# KiCad board board.kicad_pcb (continued)
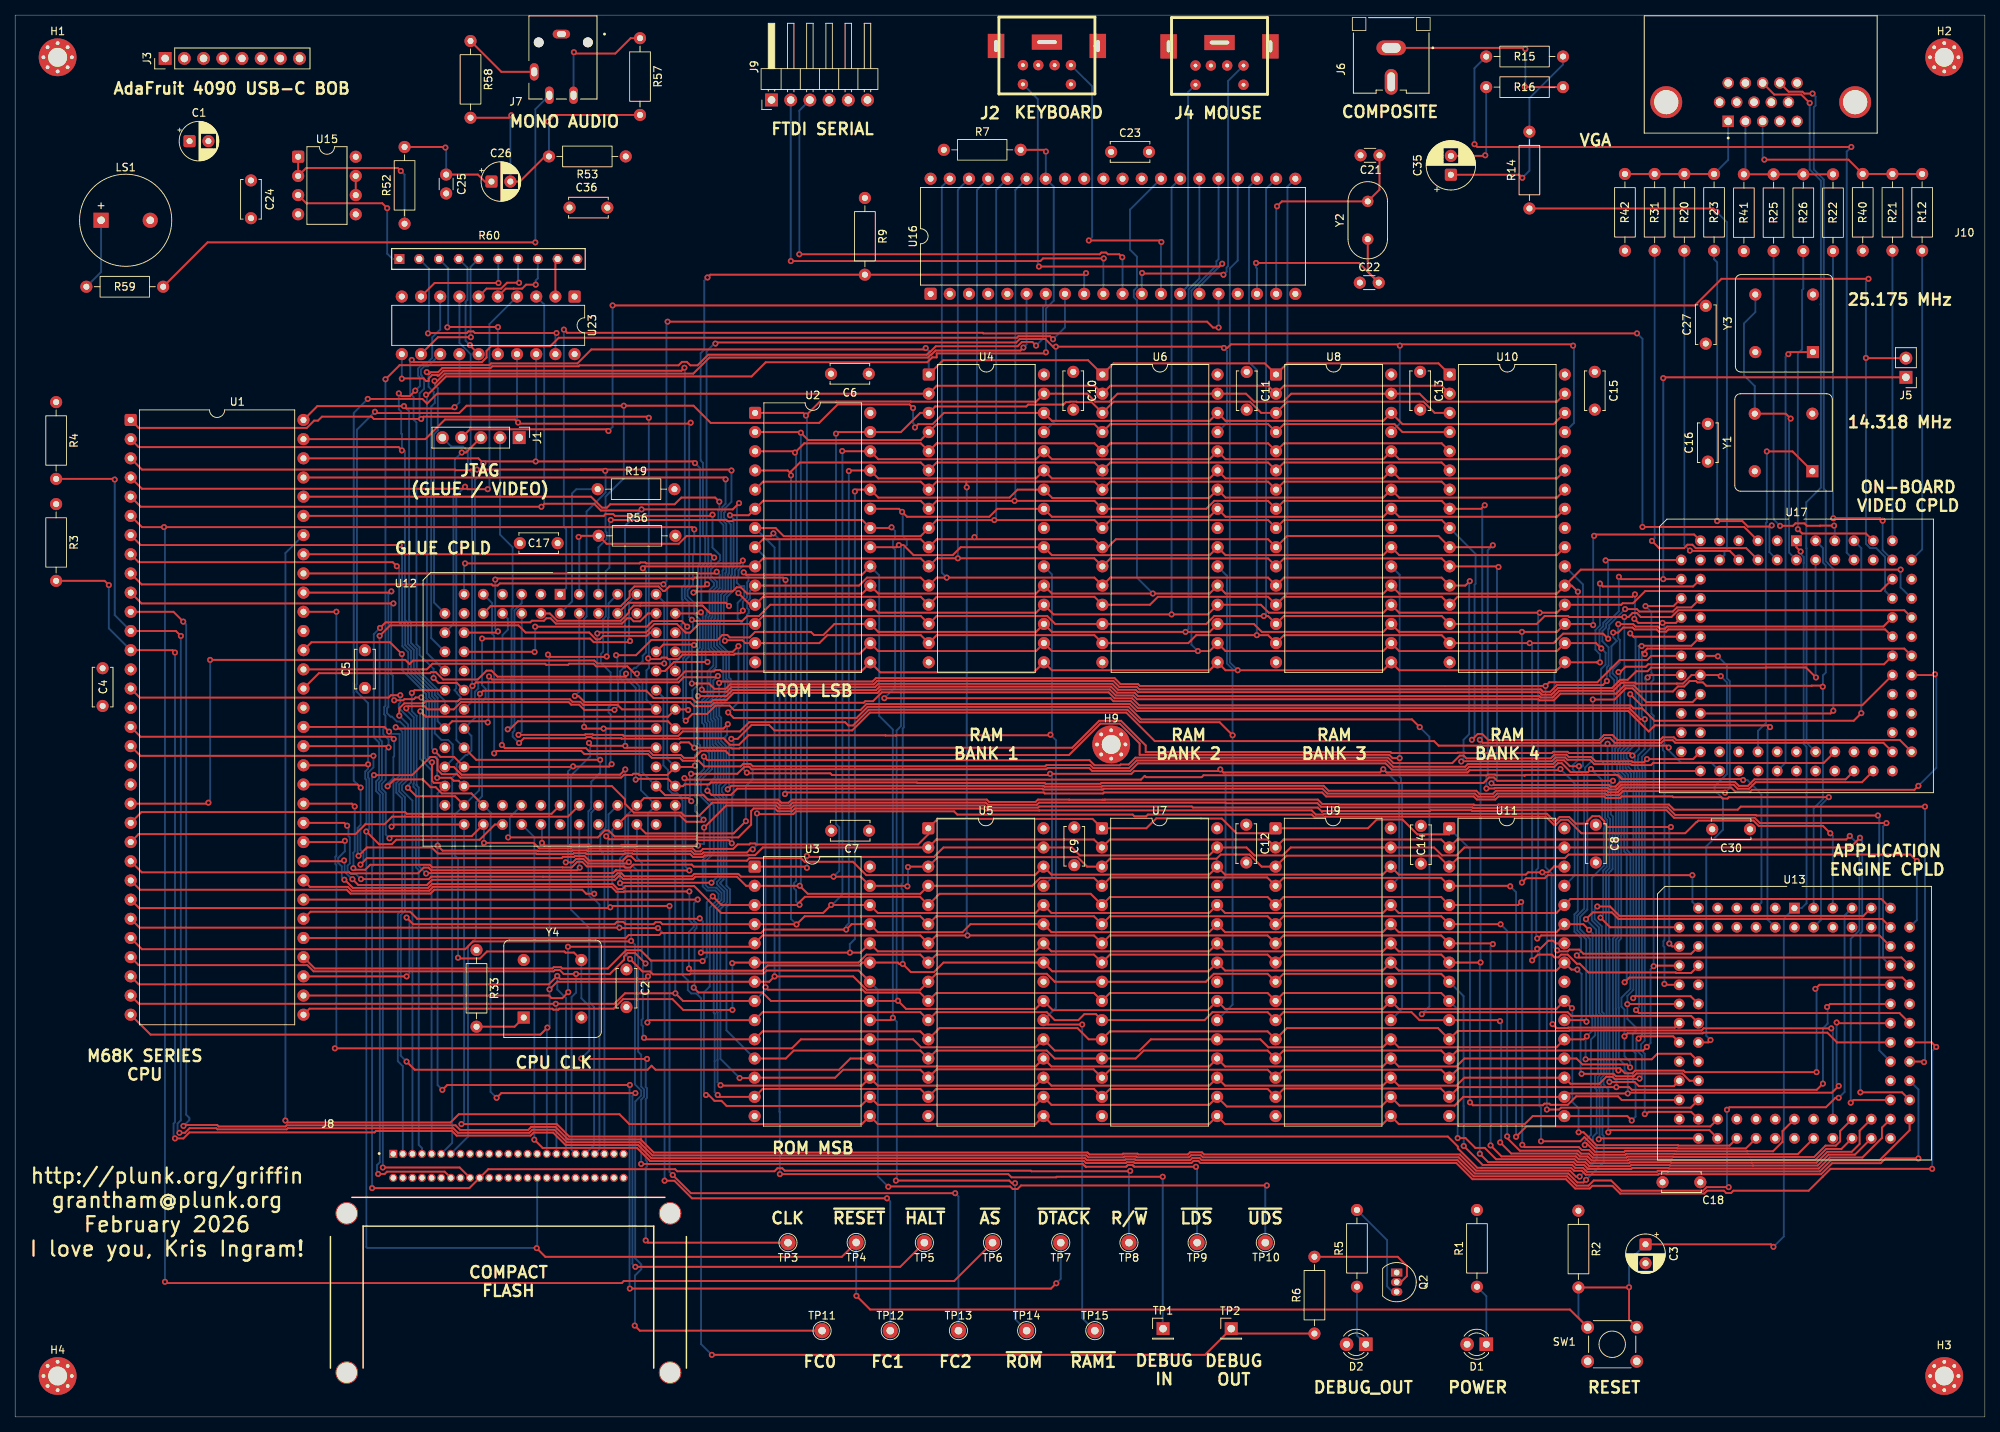
[diagram p0: board, top side]
## Routing (per net, layer and track width the routed paths; a pad name or vN(x,y) marks a point on that pad's centre or on a via; arc(x,y) is an arc through that point) (continued)
~{HALT}: length 177.5
  Top w0.25: TP5.1 117.09,19.87 v1(82.06,19.87) ; v1(49.28,83.49) 50.19,84.4 53.94,84.4 54.97,83.36 55.64,83.36 56.46,82.54 60.36,82.54 U12.36 ; v1(50.09,89.74) 49.79,90.04 16.59,90.04 U1.17 ; v1(63.7,42.24) 64.32,42.87 v1(82.06,42.87)
  Bottom w0.25: v1(50.09,89.74) 50.14,89.69 50.14,87.45 50.04,87.35 50.04,84.59 49.28,83.83 v1(49.28,83.49) ; v1(63.7,42.24) 62.9,43.04 62.9,80 U12.36 ; v1(82.06,19.87) 81.66,20.26 81.66,42.47 v1(82.06,42.87)
~{IO_DTACK_MISO}: length 128.8
  Top w0.25: v1(135.07,141.83) 134.59,142.31 133.2,142.31 132.62,141.74 121.81,141.74 121.09,141.02 121.01,141.02 120.61,140.62 91.69,140.62 90.29,139.21 89.33,139.21 88.87,139.67 88.23,139.67 87.78,139.21 74.66,139.21 74.54,139.09 63.13,139.09 62.91,138.87 56.54,138.87 55.96,138.3 55.01,138.3 54.79,138.08 54.69,138.08 v1(54.46,138.31)
  Bottom w0.25: U16.7 136.35,147.25 136,146.89 136,142.76 v1(135.07,141.83) ; v1(54.46,138.31) 54.46,138.2 54.71,137.95 54.71,136.36 55.38,135.69 55.38,135.02 55.52,134.87 55.52,134.23 55.05,133.75 55.05,103.09 56.86,101.28
~{IO_IACK_SCK}: length 141.9
  Top w0.25: v1(137.32,142.67) 136.93,143.06 132.74,143.06 132.54,142.87 71.92,142.87 70.81,141.75 62.99,141.75 62.37,141.13 62.37,140.26 61.76,139.64 52.75,139.64 v1(52.47,139.93) ; v1(55.37,97.82) 56.02,97.17 58.44,97.17 U12.21
  Bottom w0.25: v1(55.37,97.82) 55.37,99.03 53.51,100.89 53.51,101.86 53.1,102.27 53.1,131.64 52.72,132.03 52.72,135 52.28,135.44 52.28,139.73 v1(52.47,139.93) ; v1(137.32,142.67) 138.9,144.24 U16.8
~{IO_IRQ}: length 153.1
  Top w0.25: R7.2 136.15,167.74 v1(136.38,167.52) ; v1(136.38,140.94) 136.22,140.79 121.93,140.79 121.93,140.27 121.32,140.27 120.67,139.62 99.3,139.62 97.43,137.74 57,137.74 54.59,135.32 v1(54.37,135.32)
  Bottom w0.25: v1(136.38,140.94) 136.38,146.74 137.41,147.77 137.41,162.86 U16.34 136.35,167.5 v1(136.38,167.52) ; v1(54.37,135.32) 54.48,135.21 54.48,101.12 56.86,98.75
~{IO_SELECT_MOSI}: length 119.2
  Top w0.25: v1(133.4,141.56) 133,141.17 121.77,141.17 121.24,140.64 121.17,140.64 120.77,140.24 91.85,140.24 89.73,138.12 56.85,138.12 55.55,136.82 55.55,137.08 v1(55.49,137.15)
  Bottom w0.25: v1(133.4,141.56) 133.81,141.98 U16.6 ; 56.86,106.37 55.43,107.8 55.43,130.1 55.93,130.6 55.93,136.18 55.55,136.56 55.55,137.08 v1(55.49,137.15)
~{IPL0}: length 74.7
  Top w0.25: v1(76.61,69.25) 75.56,69.25 75.03,69.79 55.45,69.79 54.95,69.28 44.37,69.28 43.86,69.79 16.52,69.79 U1.25
  Bottom w0.25: U12.48 76.22,80 76.22,69.65 v1(76.61,69.25)
~{IPL1}: length 66.4
  Top w0.25: U1.24 16.76,72.09 44.21,72.09 44.34,71.96 53.3,71.96 54.05,72.72 54.7,72.72 55.04,72.37 74.35,72.37 v1(74.7,72.72)
  Bottom w0.25: v1(74.7,72.72) 74.64,72.78 U12.45
~{IPL2}: length 61.4
  Top w0.25: U1.23 16.34,77.15 45.03,77.15 46.34,78.46 48.88,78.46 49.88,79.46 73.14,79.46 U12.46
~{LDS}: length 552.5
  Top w0.25: v1(82.82,33.49) 83.86,33.49 141.25,33.49 141.51,33.23 141.51,33.23 141.68,33.06 141.72,33.12 146.98,33.12 147.09,33.23 147.1,33.23 147.2,33.34 147.85,33.34 147.95,33.23 147.96,33.23 148.07,33.12 v1(156.23,33.12) ; v1(215.61,92.35) 215.04,92.35 213.58,93.82 148.56,93.82 147.62,94.75 145.31,94.75 144.91,95.15 v1(115,95.15) ; v1(115.95,117.77) 115.86,117.68 U2.22 112.07,118.74 95.04,118.74 94.89,118.59 94.25,118.59 94.1,118.74 v1(78.8,118.74) ; v1(215.6,100.99) 215.43,100.99 215.28,101.14 215.28,101.28 215.51,101.28 215.94,101.71 249.94,101.71 U17.64 ; v1(78.92,86.42) 78.6,86.09 73.85,86.09 v1(73.82,86.12) 73.74,86.05 U12.29 58.07,87.38 56.28,87.38 v1(55.52,88.13) ; v1(72.85,73.42) 73.77,73.42 74.22,73.87 75.18,73.87 75.79,73.26 81,73.26 v1(81.18,73.45) ; v1(214.45,53.86) 214.85,53.46 249.3,53.46 U13.64 ; U1.8 16.34,113.15 49.96,113.15 v1(50.5,112.62)
  Bottom w0.25: v1(115.95,117.77) 116.43,117.29 116.43,116.3 116.14,116.01 116.14,115.09 116.43,114.81 116.43,96.57 v1(115,95.15) ; v1(215.6,100.99) 215.2,100.99 215.2,92.76 v1(215.61,92.35) 215.6,92.35 215.6,88.42 214.74,87.56 214.74,87.07 214.67,87 214.67,85.87 214.91,85.63 214.91,82.8 214.85,82.73 214.85,54.26 v1(214.45,53.86) ; TP9.1 156.38,32.96 v1(156.23,33.12) ; v1(78.92,86.42) 78.78,86.56 78.78,93.02 78.51,93.28 78.51,93.92 78.78,94.18 78.78,98.56 77.49,99.85 77.49,100.99 77.8,101.3 77.8,105.62 78.14,105.97 78.14,111.95 78.62,112.43 78.62,118.56 v1(78.8,118.74) ; v1(81.18,73.45) 82.43,72.21 82.43,48.34 82.82,47.94 82.82,43.73 83.21,43.34 83.21,42.39 82.82,42 v1(82.82,33.49) ; v1(50.5,112.62) 50.82,112.3 50.82,105.2 50.99,105.02 51.23,104.78 51.23,102.01 52,101.24 52,98.6 54.76,95.84 54.76,95.27 55.14,94.9 55.14,88.51 v1(55.52,88.13) ; v1(73.82,86.12) 73.15,85.45 73.15,73.71 v1(72.85,73.42)
~{RAM_SELECT_1}: length 200.3
  Top w0.25: v1(66.68,89.22) 67.3,89.84 75.45,89.84 75.6,89.99 76.25,89.99 76.4,89.84 80.19,89.84 80.25,89.78 87.9,89.78 87.95,89.84 93.72,89.84 94.58,88.98 95.77,88.98 97.02,90.24 115.13,90.24 115.16,90.21 116.47,90.21 116.5,90.24 136.9,90.24 v1(136.97,90.31) ; v1(141.18,51.94) 136.64,51.94 U5.22
  Bottom w0.25: v1(66.68,89.22) 65.82,90.06 65.82,90.61 66.06,90.84 66.06,106.76 67.02,107.73 67.02,108.91 ; v1(141.18,51.94) 141.18,13.09 TP15.1 ; U5.22 137.7,54.17 137.7,89.59 v1(136.97,90.31) 137.17,90.51 137.17,111.54 U4.22
~{RAM_SELECT_2}: length 175.8
  Top w0.25: v1(66.6,90.29) 75.37,90.29 75.45,90.37 76.4,90.37 76.48,90.29 80.37,90.29 80.5,90.16 87.74,90.16 88.33,90.75 95.9,90.75 97.11,91.96 109.81,91.96 110.24,91.54 110.86,91.54 112.94,93.62 147.16,93.62 148.81,91.96 159.35,91.96 v1(161.07,90.24)
  Bottom w0.25: v1(66.6,90.29) 67.02,90.71 67.02,106.37 ; U7.22 161.07,54.58 v1(161.07,90.24) 161.07,98.98 160.32,99.73 160.32,111.36 U6.22
~{RAM_SELECT_3}: length 203.9
  Top w0.25: v1(183.18,87.22) 182.23,87.22 181.8,87.65 148.78,87.65 148.78,89.15 146.16,91.77 143.58,91.77 139.43,87.62 94.53,87.62 93.96,88.19 90.8,88.19 89.85,87.24 88.48,87.24 88.1,87.62 84.4,87.62 83.88,88.14 75.91,88.14 75.51,88.54 64.79,88.54 v1(64.39,88.94)
  Bottom w0.25: v1(64.39,88.94) 64.48,89.03 64.48,103.5 65.19,104.21 65.19,105.65 U12.8 ; U8.22 183.18,111.48 v1(183.18,87.22) 183.18,84.71 183.35,84.54 183.35,83.97 183.5,83.82 183.5,54.03 U9.22
~{RAM_SELECT_4}: length 233.9
  Top w0.25: v1(206.9,86.14) 205.69,86.14 204.92,86.92 203.96,86.92 203.47,86.43 192.19,86.43 191.83,86.07 182.31,86.07 181.48,86.9 148.38,86.9 147.38,85.89 142.65,85.89 142.25,86.29 136.45,86.29 136.28,86.12 97.6,86.12 97.28,86.44 96.32,86.44 95.99,86.11 91.18,86.11 90.43,86.86 88.32,86.86 87.94,87.24 84.24,87.24 83.72,87.77 75.3,87.77 74.9,88.17 63.7,88.17 v1(63.38,87.84) ; U11.22 207.68,52.53 v1(207.89,52.32)
  Bottom w0.25: 205.03,112.59 207.42,110.21 207.42,86.19 207.13,85.9 ; v1(63.38,87.84) 63.38,103.39 63.1,103.67 63.1,107.75 U12.9 ; v1(206.9,86.14) 206.9,85.59 207.59,84.9 207.59,67.28 206.67,66.36 206.67,64.41 207.85,63.23 207.85,52.36 v1(207.89,52.32)
~{RESET}: length 437.1
  Top w0.25: U12.37 63.47,78.43 61.46,76.41 50.43,76.41 49.85,75.82 48.14,75.82 v1(46.47,77.49) ; v1(69,22.34) 70.15,21.19 109.37,21.19 TP4.1 ; U1.18 16.58,87.52 v1(47.4,87.52) ; v1(232.62,22.51) 232.29,22.85 C3.1 ; SW1.2 205.69,14.22 113.12,14.22 v1(111.31,16.03) ; SW1.2 213.52,12.88 v1(213.52,17.17) 213.5,17.13 R2.2 ; v1(236.23,114.57) 235.67,115.13 U17.1
  Bottom w0.25: v1(232.62,22.51) 234,23.89 234,65.96 U13.1 236.37,67.36 237.01,68 237.01,88.71 236.62,89.09 236.62,113.04 236.63,113.05 236.63,113.84 236.23,114.25 v1(236.23,114.57) ; v1(111.31,16.03) 111.27,16.06 TP4.1 ; 208.01,11.97 206.82,13.16 R2.2 ; v1(213.52,17.17) 213.52,20.67 C3.1 ; v1(47.4,87.52) 47.4,85.98 46.7,85.28 46.7,84.64 46.85,84.49 46.85,77.88 v1(46.47,77.49) 46.47,22.47 46.57,22.37 68.97,22.37 v1(69,22.34) 69.07,22.41 J8.41
~{ROM_SELECT}: length 173.7
  Top w0.25: v1(116.12,52.84) 115.81,52.53 U3.20 ; 113.14,112.59 112.03,111.49 96.71,111.49 v1(96.39,111.81) ; v1(96.28,106.74) 95.93,106.39 91.95,106.39 90.94,107.4 82.69,107.4 82.69,107.4 81.83,107.4 81.22,106.79 81.22,106.5 80.12,105.4 71.7,105.4 70.74,106.37 U12.4 ; v1(132.29,30.94) 131.87,30.94 131.52,31.28 v1(116.53,31.28)
  Bottom w0.25: 113.14,112.59 114.31,111.43 114.31,92.81 116.12,90.99 v1(116.12,52.84) 116.65,52.31 116.65,31.41 v1(116.53,31.28) ; v1(132.29,30.94) 132.29,12.95 TP14.1 ; v1(96.28,106.74) 96.28,107.92 96.85,108.48 96.85,110.49 97.03,110.67 97.03,111.17 v1(96.39,111.81)
~{R}/W: length 121.3
  Top w0.25: v1(48.65,33.02) 58.81,33.02 J8.34 ; 84.8,103.83 83.97,103.83 83.54,103.39 77.8,103.39 77.35,102.94 76.85,102.94 75.95,103.84 67.54,103.84 66.59,104.79 49.62,104.79 v1(48.22,103.4)
  Bottom w0.25: v1(48.65,33.02) 48.65,82.49 48.13,83.01 48.13,83.96 48.53,84.36 48.53,89.43 48.22,89.73 v1(48.22,103.4)
~{UDS}: length 471.8
  Top w0.25: v1(80.72,85.72) 80.03,85.02 59.07,85.02 58.04,86.05 56.86,86.05 ; v1(203.4,52) 203.93,51.47 205.41,51.47 205.47,51.53 219.58,51.53 U13.22 ; v1(80.02,70.66) 80.08,70.72 v1(92.12,70.72) ; 113.08,57.61 111.59,59.09 99.42,59.09 99.02,58.69 89.34,58.69 89.24,58.59 84.38,58.59 84,58.97 83,58.97 v1(81.34,60.62) ; v1(50.87,115.42) 16.61,115.42 U1.7 ; v1(115.53,30.47) 115.57,30.51 131.64,30.51 131.99,30.17 132.61,30.17 133.08,30.64 v1(165.6,30.64) ; U17.22 216.46,100.75 215.92,100.21 212.28,100.21 209.32,97.25 203.82,97.25 203.82,97.25 202.96,97.25 v1(202.48,96.77) 189.15,96.77 189.15,96.77 148.81,96.77 148.56,97.01 146.25,97.01 145.45,97.81 113.9,97.81 113.44,97.35 93.33,97.35 v1(93.14,97.16)
  Bottom w0.25: TP10.1 165.4,30.44 v1(165.6,30.64) ; v1(203.4,52) 203.28,52.12 203.28,71.96 202.48,72.76 v1(202.48,96.77) ; v1(92.12,70.72) 92.97,71.56 92.97,81.68 92.37,82.29 92.37,83.87 92.97,84.47 92.97,88.31 92.28,89 92.28,92.09 92.02,92.35 92.02,94.41 93.14,95.53 v1(93.14,97.16) ; 56.86,86.05 57.9,87.08 57.9,89.01 57.29,89.62 56.4,89.62 55.52,90.5 55.52,95.05 55.14,95.43 55.14,95.99 52.38,98.76 52.38,101.4 51.61,102.17 51.61,104.94 51.37,105.18 51.37,105.18 51.19,105.36 51.19,115.09 v1(50.87,115.42) ; 113.08,57.61 114.13,56.55 114.13,31.86 v1(115.53,30.47) ; v1(80.72,85.72) 80.72,74.62 80.02,73.92 v1(80.02,70.66) 80.72,69.96 80.72,61.24 v1(81.34,60.62)
~{VIDEO_IRQ}: length 219.6
  Top w0.25: U17.5 228.75,117.81 v1(215.3,117.81) ; v1(72.6,143.94) 73.03,143.52 128.03,143.52 128.1,143.44 v1(214.57,143.44)
  Bottom w0.25: v1(214.57,143.44) 215.3,142.72 v1(215.3,117.81) ; v1(72.6,143.94) 72.6,117.84 72.9,117.54 72.9,109.71 U12.1
~{VIDEO_SELECT}: length 180
  Top w0.25: v1(90.84,96.29) 91.13,96 94.14,96 94.74,96.6 113.76,96.6 114.21,97.05 145.14,97.05 145.94,96.26 148.25,96.26 148.57,95.94 201.67,95.94 201.85,95.76 201.85,95.76 202,95.61 203.25,95.61 204.14,96.5 211.28,96.5 212.36,97.58 212.59,97.58 212.59,97.58 213.34,97.58 214.47,98.71 215.96,98.71 216.44,99.19 231.64,99.19 231.67,99.22 236.93,99.22 v1(238.25,97.89) ; v1(90.73,106.52) 90.57,106.37 U12.74
  Bottom w0.25: v1(90.73,106.52) 90.97,106.28 90.97,101.69 90.84,101.57 v1(90.84,96.29) ; v1(238.25,97.89) 238.2,97.94 U17.84
~{VPA}: length 99.6
  Top w0.25: U1.21 25.44,81.18 v1(25.58,81.31) ; v1(85.88,99.74) 77.03,99.74 76.62,100.14 52.65,100.14 52.18,99.67 51.62,100.22 v1(25.8,100.22)
  Bottom w0.25: 84.8,108.91 85.88,107.83 v1(85.88,99.74) ; v1(25.58,81.31) 25.8,81.54 v1(25.8,100.22)
~{WRITE_HI}: length 245.3
  Top w0.25: v1(59.53,112.99) 82.6,112.99 82.73,113.12 83.37,113.12 83.5,112.99 95.9,112.99 v1(96.28,113.37) ; v1(96.8,85.29) 96.89,85.2 107.85,85.2 108.08,84.97 136.82,84.97 136.93,85.08 v1(136.93,85.14) 136.93,85.14 147.69,85.14 148.05,85.5 159.44,85.5 v1(159.44,85.72) 159.84,85.32 180.58,85.32 v1(181.01,85.74) 181.43,85.32 192.14,85.32 192.44,85.61 204.29,85.61 v1(204.44,85.77)
  Bottom w0.25: U5.29 137.18,71.43 137.18,84.89 v1(136.93,85.14) ; v1(96.28,113.37) 96.28,112.66 95.69,112.08 95.69,111.3 95.47,111.09 95.47,110.44 95.93,109.99 96.47,109.99 96.47,108.64 95.59,107.77 95.59,105.66 96.42,104.83 96.42,85.67 v1(96.8,85.29) ; U12.11 59.4,112.87 v1(59.53,112.99) ; U11.29 206.33,71.66 206.33,83.88 v1(204.44,85.77) ; U7.29 160.15,71.43 160.15,85.01 v1(159.44,85.72) ; v1(181.01,85.74) 181.05,85.74 183.12,83.67 183.12,71.43 U9.29
~{WRITE_LO}: length 227.3
  Top w0.25: v1(206.12,141.81) 205.95,141.99 183.38,141.99 v1(183.2,141.81) 183.02,141.99 160.85,141.99 160.38,141.52 v1(159.93,141.52) 159.76,141.68 v1(137.69,141.68) 137.31,141.68 136.3,142.69 132.89,142.69 132.45,142.24 92.8,142.24 v1(92.65,142.09) ; v1(91.55,110.23) 91.26,109.94 86.55,109.94 85.94,109.34 85.73,109.34 85.13,109.94 81.93,109.94 81.3,109.3 81.3,108.51 80.12,107.33 62.9,107.33 U12.10
  Bottom w0.25: U6.29 160.32,131.62 160.32,141.12 v1(159.93,141.52) ; v1(206.12,141.81) 206.23,141.72 206.23,131.57 205.03,130.38 ; U4.29 137.69,131.95 v1(137.69,141.68) ; v1(183.2,141.81) 183.2,131.52 U8.29 ; v1(92.65,142.09) 92.5,142.09 91.47,141.06 91.47,116.73 91.7,116.5 91.7,112.93 91.29,112.52 91.29,110.5 v1(91.55,110.23)
Net-(C25-Pad1): length 15.4
  Top w0.25: v1(56.93,168.04) 56.84,168.12 R52.2 ; C26.1 62.15,163.54 61.22,164.47 C25.1
  Bottom w0.25: v1(56.93,168.04) 57.03,167.94 C25.1
Net-(C26-Pad2): length 37.5
  Top w0.25: 70.1,166.87 66.78,163.54 C26.2 ; R58.2 65.32,171.99 v1(65.65,172.31) ; R57.2 71.37,172.36 v1(70.5,171.49)
  Bottom w0.25: v1(70.5,171.49) 70.62,171.37 R53.2 ; v1(65.65,172.31) 65.52,172.18 C26.2
Net-(C35-Pad1): length 27.9
  Top w0.25: v1(199.4,164.04) 199,164.44 C35.1
  Bottom w0.25: R15.2 204.78,179.02 200.34,174.58 R14.2 200.34,164.98 v1(199.4,164.04)
Net-(C35-Pad2): length 13.7
  Top w0.25: v1(194.5,167.02) 194.43,166.94 C35.2
  Bottom w0.25: v1(194.5,167.02) 194.62,167.13 R16.1
Net-(D1-K): length 8.1
  Bottom w0.25: D1.1 194.64,15.99 R1.1
Net-(D2-K): length 8.1
  Bottom w0.25: D2.1 177.52,10.78 R5.1
Net-(J6-In): length 27.9
  Top w0.25: R16.2 199.77,176.04 v1(199.73,176.09) ; v1(199.8,181.09) 199.65,181.24 J6.1
  Bottom w0.25: v1(199.73,176.09) 199.8,176.17 v1(199.8,181.09)
Net-(J7-Pad2): length 15.4
  Top w0.25: v1(73.93,180.67) 74.1,180.49 79.4,180.49 81.43,182.52 R57.1
  Bottom w0.25: J7.2 73.88,180.62 v1(73.93,180.67)
Net-(J7-Pad3): length 10.1
  Top w0.25: R58.1 64.33,178.06 J7.3
Net-(J7-Pad4): length 71.9
  Top w0.25: R59.2 25.46,155.49 v1(68.82,155.49)
  Bottom w0.25: J7.4 68.82,173.12 v1(68.82,155.49)
Net-(LS1-Pad1): length 9.6
  Bottom w0.25: LS1.1 11.38,151.56 R59.1
Net-(Q2-B): length 15.8
  Top w0.25: Q2.2 183.32,17.84 184.13,18.64 184.13,19.98 182.92,21.19 171.9,21.19
Net-(Q2-C): length 13.3
  Bottom w0.25: Q2.3 182.23,16.56 181.51,17.28 181.51,23.4 R5.2
Net-(U12-INPUT/OE2/GCLK2): length 20.2
  Bottom w0.25: R19.1 74.25,122.81 73.68,122.24 73.68,107.94 U12.2
Net-(U15A-+): length 20.4
  Top w0.25: U15.3 38.53,160.67 48.57,160.67 v1(49.22,160.02)
  Bottom w0.25: R60.1 49.93,153.29 49.22,154 v1(49.22,160.02)
Net-(U15A--): length 23.9
  Top w0.25: U15.1 37.44,164.29 38.5,165.34 50.63,165.34 v1(51.03,164.94)
  Bottom w0.25: v1(51.03,164.94) 51.53,164.44 R52.1
Net-(U15B--): length 2.5
  Top w0.25: U15.6 45.06,164.29
Net-(U16-XTAL1): length 30.7
  Top w0.25: v1(166.95,160.27) 167.6,160.92 178.95,160.92 180.5,162.47 C21.1
  Bottom w0.25: U16.19 166.83,160.15 v1(166.95,160.27)
Net-(U16-XTAL2): length 27.8
  Top w0.25: Y2.1 178.95,151.61 C22.2 177.8,152.77 v1(164.18,152.77)
  Bottom w0.25: U16.18 164.3,152.05 164.18,152.17 v1(164.18,152.77)
Net-(Y4-EN): length 6.8
  Top w0.25: R33.2 66.08,51.66 Y4.1

## Copper pours and planes (outline as drawn; the poured copper is in the pictures)
+5V on In2.Cu: 0,185.57 260.6,185.57 260.6,0 0,0
GND on In1.Cu: 0,185.57 260.6,185.57 260.6,0 0,0

## Text on the board
F.Silkscreen: CLK | FC0 | ~{RESET} | FC1 | ~{HALT} | FC2 | ~{AS} | ~{ROM} | ~{DTACK} | ~{RAM1} | R/~{W} | ~{LDS} | ~{UDS} | DEBUG_OUT | POWER | RESET | M68K SERIES / CPU | AdaFruit 4090 USB-C BOB | GLUE CPLD | JTAG / (GLUE / VIDEO) | COMPACT / FLASH | CPU CLK | MONO AUDIO | ROM MSB | ROM LSB | FTDI SERIAL | RAM / BANK 1 | RAM / BANK 2 | RAM / BANK 3 | COMPOSITE | RAM / BANK 4 | VGA | APPLICATION / ENGINE CPLD | 25.175 MHz | 14.318 MHz | ON-BOARD / VIDEO CPLD | DEBUG / OUT | DEBUG / IN | http://plunk.org/griffin / grantham@plunk.org / February 2026 / I love you, Kris Ingram!
